# Altium PCB PCB1.PcbDoc (part 2 of 2)
Units mm, origin at the board's own origin, x right, y up, seen from the top; angles counter-clockwise.
Board outline 120 x 80 mm, 2 copper layers (Top Layer, Bottom Layer); 86 components, 53 nets, 278 pads, 127 vias.
Unrouted connection lines stored in the file: 5.
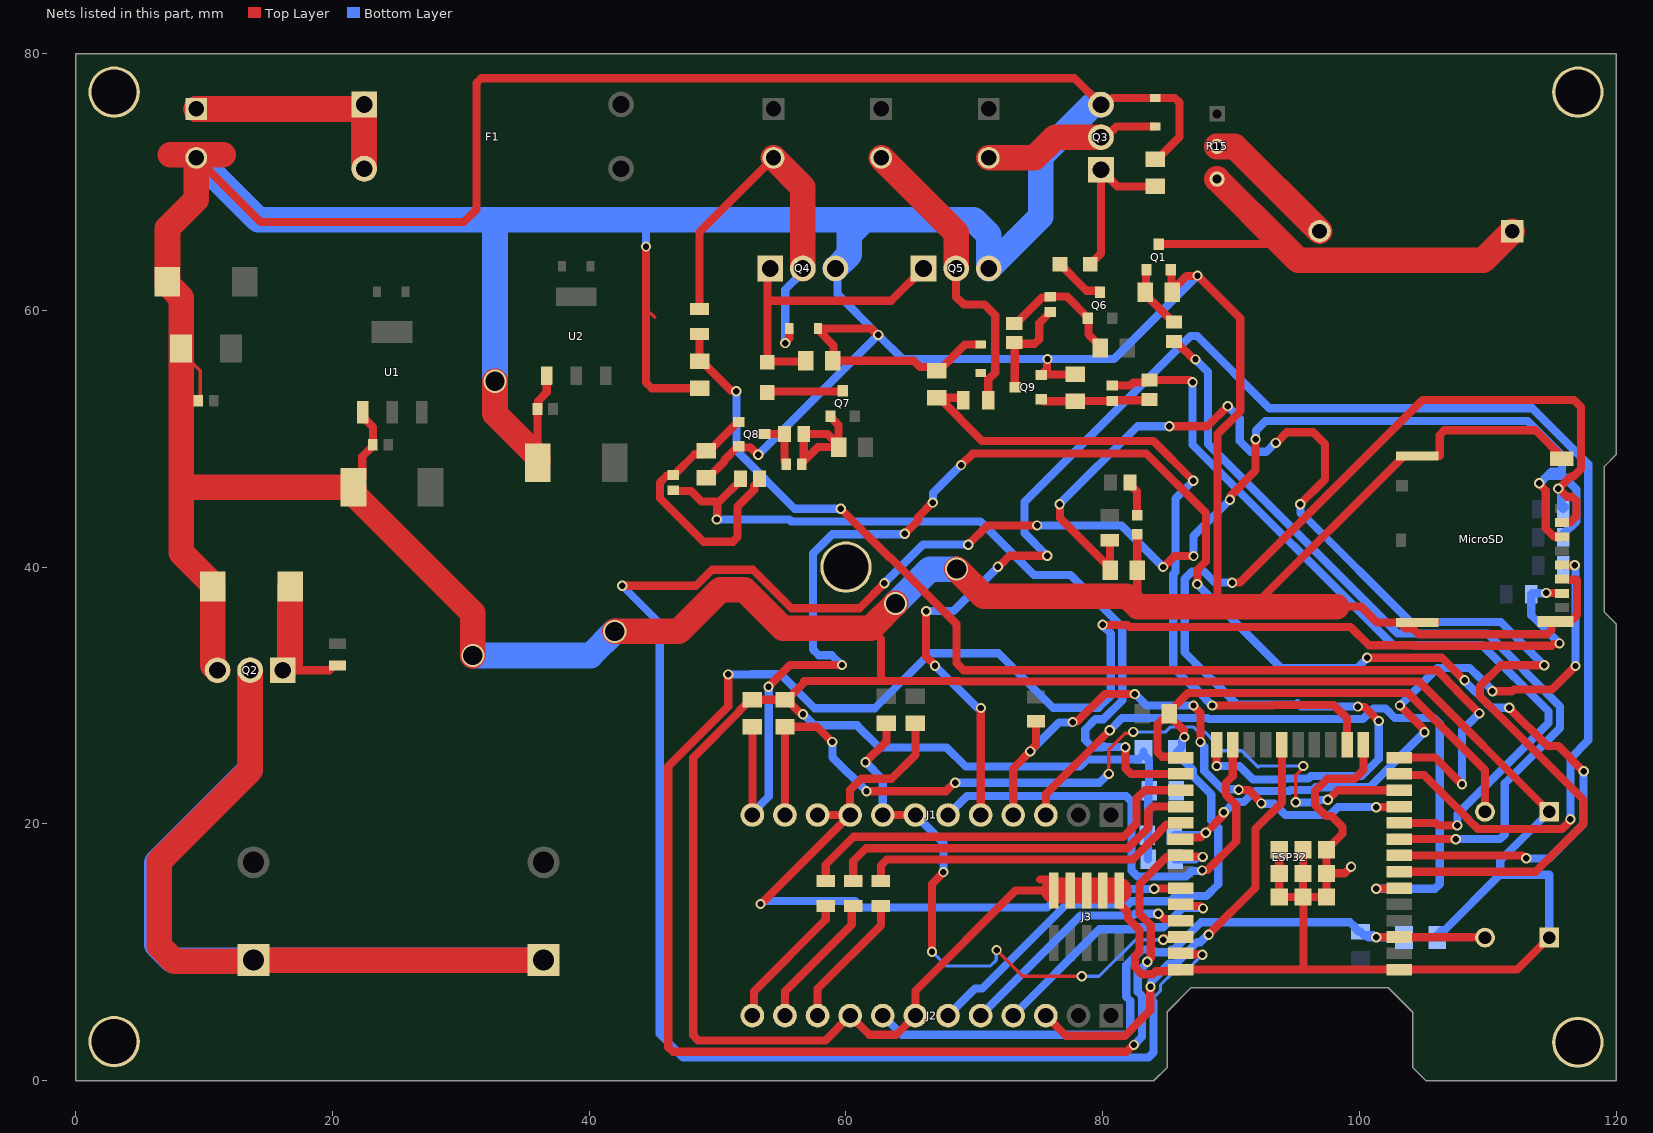
[diagram p2: the nets of this part, all layers, seen from the top]

## Via types
v1: diameter 0.8, hole 0.5, Top Layer to Bottom Layer, 113 vias
v2: diameter 1.8, hole 1.5, Top Layer to Bottom Layer, 13 vias
v3: diameter 1.8, hole 1, Top Layer to Bottom Layer, 1 vias

## Nets (pads, with @x,y where several pads share a name; then routed paths per layer and width w, separated by ;. In a path a pad name is that pad's centre, name@x,y a point inside that pad or via, vN(x,y) a via of type N, cw(c..) or ccw(c..) an arc to the next point about the centre after c; other vN are vias at no path point) (continued)
GND: BOOT.1 C1.1 C2.2 C3.2 C4.1 C5.1 C6.2 C9.1 C10.1 C11.1 D3.2 D4.2 D5.2 D6.2 D7.1 ESP32.1 ESP32.15 ESP32.38 ESP32.39 J2.7 J2.9 J3.1 J3.3 J3.5 J3.7 J3.9 MicroSD.6 MicroSD.11 MicroSD.12 MicroSD.13 MicroSD.14 P4.2 pad.1 Q1.2 Q2.3 Q3.3 Q4.3 Q5.3 Q8.2 Q9.2 R1.2 R14.1 R17.1 R18.1 R19.1 R20.1 R22.2 R30.2 R32.1 R33.1 R35.2 R37.2 R39.2 RESET.1 U1.1 U2.1 | length 842.5
  Top Layer w0.254: D3.2@8.223,56.788 9.703,55.308 9.703,53.102 C2.2@9.56,52.959 ; 44.425,59.995 44.564,59.995 45.098,59.461
  Top Layer w0.635: P4.2@9.398,71.882 14.402,66.878 30.226,66.878 31.217,67.869 31.217,77.708 31.589,78.08 77.808,78.08 Q3.3@79.858,76.03 80.227,76.03 80.741,76.543 81.267,76.543 81.276,76.553 D4.2@84.074,76.553 85.607,76.553 85.979,76.181 85.979,73.509 84.225,71.755 R30.2@84.074,71.755 ; C5.1@21.638,46.228 22.321,46.91 22.321,48.627 23.149,49.455 C6.2@23.149,49.53 23.149,50.932 22.569,51.513 22.484,51.513 22.352,51.645 U1.1@22.352,52.07 ; C4.1@35.976,48.646 C3.2@35.976,52.324 36.034,52.382 36.034,52.951 36.689,53.606 U2.1@36.689,54.924 ; v1(44.425,64.973) 44.425,59.995 44.425,54.388 44.873,53.94 R37.2@48.616,53.94 ; R33.1@49.124,46.981 49.274,46.981 50.541,48.247 50.541,48.355 51.604,49.418 Q8.2@51.654,49.418 51.737,49.336 52.55,49.336 53.118,48.768 v1(53.162,48.768) ; v1(56.653,28.546) 56.622,28.578 56.494,28.578 R18.1@55.396,29.677 ; 61.91,35.235 62.727,34.418 62.727,31.14 ; v1(62.509,58.09) 62.465,58.09 61.957,58.598 57.81,58.598 57.808,58.595 57.808,58.503 59.03,57.281 59.03,56.15 R35.2@58.963,56.083 65.273,56.083 65.765,55.591 66.796,55.591 R39.2@67.081,55.305 67.232,55.305 69.275,57.348 70.483,57.348 D6.2@70.485,57.351 ; 75.133,15.672 76.147,15.672 76.2,15.619 J3.9@76.2,14.814 73.209,14.814 65.405,7.01 J2.7@65.405,5.08 63.914,3.589 61.816,3.589 J2.9@60.325,5.08 58.395,3.15 48.48,3.15 48.108,3.522 48.108,25.171 51.714,28.778 51.714,28.837 52.554,29.677 R17.1@52.705,29.677 R18.1@55.245,29.677 R18.1@55.396,29.677 ; Q9.2@75.193,54.976 75.218,55.001 Q9.2@75.268,55.001 ; v1(75.692,56.21) 75.66,56.179 75.66,55.443 75.326,55.108 75.326,55.058 Q9.2@75.268,55.001 ; R32.1@77.851,55.026 77.826,55.001 Q9.2@75.268,55.001 ; J3.1@81.28,14.814 81.333,14.762 81.333,13.737 81.962,13.107 81.962,12.635 82.851,11.746 82.851,10.093 82.499,9.74 82.499,8.862 83.068,8.293 83.893,8.293 84.128,8.528 85.948,8.528 ESP32.38@86.08,8.661 95.631,8.661 ; D7.1@82.677,42.557 82.682,42.552 82.682,39.756 R1.2@82.686,39.751 82.686,36.973 82.728,36.932 ; Q1.2@85.303,63.16 85.354,63.11 85.354,61.468 R22.2@85.404,61.417 85.404,61.568 86.517,62.681 87.344,62.681 v1(87.376,62.713) 90.71,59.379 90.71,52.15 88.932,50.372 88.932,40.098 88.925,40.092 88.925,36.932 ; 91.719,36.932 103.445,48.657 106.216,48.657 106.248,48.69 106.248,50.301 106.62,50.673 113.686,50.673 115.921,48.437 MicroSD.14@116.266,48.437 ; ESP32.39@93.745,17.996 ESP32.39@93.745,16.161 ESP32.39@93.745,14.326 ESP32.39@95.58,14.326 ; ESP32.39@95.58,17.996 ESP32.39@95.58,16.161 ESP32.39@95.58,14.326 ; 98.222,36.932 100.127,36.932 101.361,35.697 103.099,35.697 103.559,35.237 104.134,35.237 104.594,34.776 114.618,34.776 114.953,35.111 114.953,35.665 115.065,35.777 115.781,35.777 115.901,35.897 116.55,35.897 116.922,36.269 116.922,38.991 116.888,39.025 116.314,39.025 MicroSD.6@116.281,39.057 ; v1(99.339,16.662) 98.838,16.161 ESP32.39@97.415,16.161 ; ESP32.15@100.295,26.171 100.295,24.218 99.597,23.52 97.48,23.52 96.539,22.579 96.539,21.486 97.399,20.627 97.801,20.627 98.661,19.767 98.661,19.241 ESP32.39@97.415,17.996 ESP32.39@97.415,16.161 ; MicroSD.12@105.001,35.697 105.878,35.697 MicroSD.12@105.918,35.738 ; RESET.1@114.77,11.151 112.28,8.661 ESP32.1@103.08,8.661 95.631,8.661 ; BOOT.1@114.77,20.955 104.635,31.09 68.787,31.09 68.736,31.14 62.727,31.14 ; R18.1@55.396,29.677 56.718,30.999 56.718,31.14 62.727,31.14 ; ESP32.39@95.58,14.326 ESP32.39@97.415,14.326 ESP32.39@97.415,16.161 ; ESP32.39@95.58,14.326 95.631,14.275 95.631,8.661
  Top Layer w2: 7.366,72.136 11.481,72.136 ; P4.2@9.398,71.882 9.398,68.638 7.155,66.395 7.155,62.235 C1.1@7.15,62.23 7.15,62.07 8.223,60.997 D3.2@8.223,57.023 8.223,56.788 8.223,46.228 ; Q2.3@11.049,31.979 10.681,32.347 C11.1@10.681,38.506 10.681,38.666 8.223,41.124 8.223,46.228 ; v2(30.937,33.122) 30.937,36.429 21.638,45.728 C5.1@21.638,46.228 8.223,46.228 ; v2(32.664,54.483) 32.664,51.958 35.976,48.646 35.989,48.633 C4.1@35.989,48.133 ; v2(41.986,35.001) 46.977,35.001 50.209,38.233 52.095,38.233 55.093,35.235 61.91,35.235 62.08,35.405 v2(63.854,37.179) ; v2(68.618,39.853) 70.728,37.743 81.917,37.743 82.686,36.973 ; J3.9@76.2,14.814 J3.7@77.47,14.814 J3.5@78.74,14.814 J3.3@80.01,14.814 J3.1@81.28,14.814 ; 82.728,36.932 88.925,36.932 91.719,36.932 98.222,36.932
  Bottom Layer w0.635: v1(44.425,64.973) 44.425,67.005 44.475,67.056 ; v1(53.162,48.768) 53.175,48.768 62.497,58.09 v1(62.509,58.09) ; v1(56.653,28.546) 56.698,28.546 57.558,27.686 60.871,27.686 62.592,25.965 67.842,25.965 69.328,24.479 78.223,24.479 78.757,25.013 82.165,25.013 82.198,25.046 82.798,25.046 C9.1@83.18,25.429 ; Q4.3@59.182,63.271 59.325,63.128 59.325,61.274 v1(62.509,58.09) ; C9.1@83.18,25.629 C9.1@83.18,25.429 ; R20.1@83.531,17.247 83.506,17.272 83.506,19.101 R19.1@83.48,19.126 83.544,19.19 83.544,22.517 R14.1@83.607,22.581 83.607,25.002 C9.1@83.18,25.429 ; v1(87.376,62.713) 80.874,56.21 v1(75.692,56.21) 64.389,56.21 v1(62.509,58.09) ; C10.1@106.05,11.151 106.05,11.351 106.432,11.733 106.632,11.733 110.952,16.053 ; RESET.1@114.77,11.151 114.77,16.053 110.952,16.053 ; BOOT.1@114.77,20.955 110.952,17.137 110.952,16.053
  Bottom Layer w2: P4.2@9.398,71.882 14.224,67.056 32.639,67.056 ; v2(30.937,33.122) 40.107,33.122 v2(41.986,35.001) ; v2(32.664,54.483) 32.664,67.031 32.639,67.056 ; Q4.3@59.182,63.271 60.249,64.338 60.249,65.884 61.42,67.056 ; v2(63.854,37.179) 66.528,39.853 v2(68.618,39.853) ; Q3.3@79.858,76.03 79.21,76.03 75.165,71.985 75.165,67.316 Q5.3@71.12,63.271 71.12,65.884 69.948,67.056 61.42,67.056 ; 32.639,67.056 44.475,67.056 61.42,67.056
NetBOOT1_2: BOOT.2 C9.2 ESP32.25 J2.6 R11.1 | length 76.9
  Top Layer w0.635: R11.1@85.176,28.575 R11.1@85.176,28.424 ; R11.1@85.176,28.726 86.65,30.201 103.759,30.201 109.766,24.194 BOOT.2@109.766,20.955 ; ESP32.25@86.08,25.171 86.013,25.238 84.621,25.238 84.249,25.61 84.249,27.766 84.621,28.138 84.89,28.138 R11.1@85.176,28.424 ; v1(86.356,26.778) 86.324,26.81 86.324,27.276 R11.1@85.176,28.424
  Bottom Layer w0.635: J2.6@67.945,5.08 70.056,7.191 70.615,7.191 77.174,13.751 81.994,13.751 82.222,13.978 85.227,13.978 85.645,14.396 88.081,14.396 88.995,15.31 88.995,19.719 88.453,20.262 88.453,22.309 87.013,23.748 87.013,24.196 85.78,25.429 C9.2@85.78,25.629 86.163,26.011 86.163,26.541 86.356,26.734 v1(86.356,26.778)
NetC7_1: C7.1 C8.1 Q2.2 | length 109.9
  Top Layer w2: Q2.2@13.589,31.979 13.589,24.194 6.502,17.107 6.502,10.493 7.674,9.322 13.767,9.322 C7.1@13.843,9.398 C8.1@36.449,9.398
  Bottom Layer w2: Q2.2@13.589,31.979 13.589,24.257 6.325,16.993 6.325,10.592 7.518,9.398 C7.1@13.843,9.398 C8.1@36.449,9.398
NetC10_2: C10.2 ESP32.3 J2.8 R16.1 RESET.2 | length 58.3
  Top Layer w0.635: v1(101.295,11.176) 101.307,11.188 103.068,11.188 ESP32.3@103.08,11.201 103.105,11.176 109.741,11.176 RESET.2@109.766,11.151
  Bottom Layer w0.635: J2.8@62.865,5.08 64.356,3.589 81.802,3.589 82.136,3.923 82.136,6.237 81.833,6.541 81.833,9.01 83.059,10.236 83.873,10.236 84.095,10.014 85.114,10.014 85.337,10.236 85.544,10.236 87.658,12.351 99.267,12.351 99.639,11.979 99.639,11.903 99.925,11.617 R16.1@100.076,11.617 100.362,11.331 R16.1@100.513,11.331 ; v1(101.295,11.176) 101.251,11.176 101.095,11.331 R16.1@100.513,11.331 ; C10.2@103.45,11.151 101.095,11.151 100.694,11.151 R16.1@100.513,11.331
NetC11_2: C11.2 Q2.1 R23.1 | length 11.2
  Top Layer w0.635: Q2.1@16.129,31.979 19.777,31.979 20.145,32.347 R23.1@20.396,32.347
  Top Layer w2: Q2.1@16.129,31.979 16.701,32.551 C11.2@16.701,38.506
NetC12_1: C12.1 ESP32.10 R28.1 | length 64.1
  Top Layer w0.635: C12.1@80.747,54.149 82.149,54.149 82.393,54.393 83.457,54.393 R28.1@83.642,54.578 86.779,54.578 86.95,54.407 v1(86.995,54.407) ; ESP32.10@103.08,20.091 105.927,20.091 106.128,19.89 v1(107.597,19.89)
  Bottom Layer w0.635: v1(86.995,54.407) 86.995,49.54 102.594,33.941 109.546,33.941 114.706,28.78 114.706,27.864 107.629,20.786 107.629,19.921 v1(107.597,19.89)
NetC12_2: C12.2 Q9.1 R28.2 R32.2 | length 8.6
  Top Layer w0.635: Q9.1@75.193,53.076 75.243,53.076 75.395,52.924 R32.2@77.851,52.924 77.863,52.937 80.734,52.937 C12.2@80.747,52.949 80.804,53.007 83.572,53.007 R28.2@83.642,53.077
NetC13_1: C13.1 Q6.1 R24.2 R26.1 | length 10
  Top Layer w0.635: R26.1@73.101,58.993 73.23,58.993 75.257,61.02 75.863,61.02 C13.1@75.921,61.077 77.205,61.077 78.892,59.39 78.892,58.13 79.797,57.225 R24.2@79.797,57.074
NetC13_2: C13.2 Q9.3 R26.2 | length 7.9
  Top Layer w0.635: Q9.3@73.193,54.026 73.147,54.072 73.147,57.363 73.189,57.404 74.685,57.404 75.057,57.776 75.057,59.014 75.788,59.745 75.788,59.82 75.846,59.877 C13.2@75.921,59.877
NetC14_1: C14.1 ESP32.26 R29.1 | length 62.9
  Top Layer w0.635: C14.1@46.533,45.984 46.582,45.935 47.935,45.935 48.76,45.11 50.127,45.11 ; v1(49.936,43.713) 49.968,43.745 49.968,44.951 50.127,45.11 ; R29.1@51.776,46.888 51.776,46.76 50.127,45.11 ; v1(81.763,25.984) 81.782,25.965 81.782,24.314 82.195,23.901 ESP32.26@86.08,23.901
  Bottom Layer w0.635: v1(49.936,43.713) 55.586,43.713 55.725,43.574 70.46,43.574 74.64,39.393 77.474,39.393 81.515,35.353 81.515,29.622 80.055,28.162 79.443,28.162 78.632,27.352 78.632,26.547 79.201,25.978 80.006,25.978 80.093,26.064 80.173,25.984 v1(81.763,25.984)
NetC14_2: C14.2 Q8.1 R29.2 R33.2 | length 22.2
  Top Layer w0.635: Q8.1@51.654,51.318 51.604,51.318 49.654,49.368 49.409,49.368 R33.2@49.124,49.082 48.838,48.796 48.221,48.796 46.608,47.184 C14.2@46.533,47.184 46.475,47.126 46.042,47.126 45.511,46.595 45.511,45.372 48.897,41.986 51.19,41.986 51.562,42.358 51.562,44.732 52.85,46.021 52.85,46.332 53.278,46.76 R29.2@53.278,46.888
NetC15_1: C15.1 Q7.1 R25.2 R27.1 | length 11.3
  Top Layer w0.635: C15.1@56.556,48.006 56.556,48.081 C15.1@56.707,48.232 ; Q7.1@58.791,51.756 58.791,51.706 59.417,51.08 R25.2@59.417,49.503 ; C15.1@56.707,48.232 R27.1@56.707,50.368 58.552,50.368 R25.2@59.417,49.503 ; C15.1@56.707,48.232 57.827,49.352 R25.2@59.417,49.352 R25.2@59.417,49.503
NetC15_2: C15.2 Q8.3 R27.2 | length 4
  Top Layer w0.635: Q8.3@53.654,50.368 R27.2@55.205,50.368 55.205,48.232 55.356,48.081 C15.2@55.356,48.006
NetD4_1: D4.1 P3.2 Q3.2 | length 14
  Top Layer w0.635: Q3.2@79.858,73.49 80.227,73.49 81.06,74.323 D4.1@84.074,74.323
  Top Layer w2: P3.2@71.12,71.882 74.685,71.882 76.293,73.49 Q3.2@79.858,73.49
NetD5_1: D5.1 P1.2 Q4.2 R36.1 | length 31.4
  Top Layer w0.635: R36.1@48.59,60.106 48.59,66.116 P1.2@54.356,71.882 ; v1(55.27,57.455) 55.27,57.499 55.575,57.804 55.575,58.595 D5.1@55.578,58.598
  Top Layer w2: P1.2@54.356,71.882 56.642,69.596 Q4.2@56.642,63.271
  Bottom Layer w0.635: v1(55.27,57.455) 55.27,61.631 56.642,63.003 Q4.2@56.642,63.271
NetD6_1: D6.1 P2.2 Q5.2 R38.1 | length 23.7
  Top Layer w0.635: Q5.2@68.58,63.271 68.58,61.053 69.181,60.452 70.79,60.452 71.628,59.614 71.628,55.171 71.079,54.622 R38.1@71.079,53.01
  Top Layer w2: P2.2@62.738,71.882 68.58,66.04 Q5.2@68.58,63.271
NetD7_2: D7.2 R40.2 | length 2.8
  Top Layer w0.635: R40.2@82.107,46.609 82.107,46.48 82.677,45.91 D7.2@82.677,44.057
NetF1_1: F1.1 P4.1 | length 36.5
  Top Layer w2: P4.1@9.398,75.692 22.129,75.692 F1.1@22.479,76.042 F1.1@22.479,71.042
  Bottom Layer w2: P4.1@9.398,75.692 22.129,75.692 F1.1@22.479,76.042 F1.1@22.479,71.042
NetJ1_3: ESP32.6 J1.3 | length 55
  Top Layer w0.635: J1.3@75.565,20.701 75.565,22.327 v1(80.543,27.305) ; v1(101.295,14.961) 101.32,14.986 103.055,14.986 ESP32.6@103.08,15.011
  Bottom Layer w0.635: v1(80.543,27.305) 80.551,27.305 81.503,28.258 86.663,28.258 88.167,28.258 88.25,28.175 100.275,28.175 101.092,28.992 102.006,28.992 102.741,28.258 105.794,28.258 106.248,27.803 106.248,15.333 105.876,14.961 v1(101.295,14.961)
NetJ1_4: ESP32.11 J1.4 R3.2 | length 45.8
  Top Layer w0.635: J1.4@73.025,20.701 73.025,24.333 v1(74.346,25.654) 74.346,25.699 74.803,26.156 R3.2@74.803,28.005 74.602,28.005 R3.2@74.416,27.819 ; v1(77.648,27.94) 77.679,27.972 77.995,27.972 80.16,30.137 82.467,30.137 v1(82.486,30.118) ; v1(87.065,29.229) 87.065,29.197 87.605,28.657 v1(87.605,26.391) ; v1(90.576,22.676) 90.608,22.644 91.401,22.644 91.774,22.272 91.774,22.23 92.356,21.647 v1(92.356,21.603) ; v1(101.295,21.311) 101.32,21.336 103.055,21.336 ESP32.11@103.08,21.361
  Bottom Layer w0.635: v1(74.346,25.654) 76.6,27.908 77.616,27.908 v1(77.648,27.94) ; v1(82.486,30.118) 82.531,30.118 83.42,29.229 v1(87.065,29.229) ; v1(87.605,26.391) 87.605,26.346 87.902,26.048 87.902,24.117 89.312,22.707 90.545,22.707 v1(90.576,22.676) ; v1(92.356,21.603) 92.388,21.571 93.372,21.571 94.23,20.713 97.709,20.713 98.307,21.311 v1(101.295,21.311)
NetJ1_5: ESP32.13 J1.5 | length 131.1
  Top Layer w0.635: v1(66.243,36.579) 66.243,33.058 66.929,32.373 v1(66.929,32.328) ; J1.5@70.485,20.701 70.498,20.714 70.498,29.019 v1(70.51,29.032) ; v1(71.831,40.03) 71.876,40.03 72.739,40.894 v1(75.667,40.894) ; ESP32.13@103.08,23.901 103.153,23.828 105.033,23.828 108.424,20.436 108.424,20.399 109.21,19.613 115.777,19.613 116.389,20.225 116.389,20.328 v1(116.42,20.36)
  Bottom Layer w0.635: v1(66.243,36.579) 68.38,36.579 v1(71.831,40.03) ; v1(66.929,32.328) 70.193,29.064 70.479,29.064 v1(70.51,29.032) ; v1(75.667,40.894) 73.908,42.653 73.908,45.079 86.834,58.005 87.36,58.005 92.989,52.375 113.462,52.375 117.805,48.031 117.805,26.492 116.42,25.107 v1(116.42,20.36)
NetJ1_6: ESP32.23 J1.6 | length 38
  Top Layer w0.635: v1(87.734,16.384) 87.766,16.416 88.167,16.416 90.396,18.644 90.396,21.483 89.605,22.274 89.605,23.209 90.119,23.724 90.119,26.155 ESP32.23@90.135,26.171
  Bottom Layer w0.635: J1.6@67.945,20.701 69.436,22.192 81.802,22.192 82.246,21.748 82.246,16.366 82.691,15.921 86.473,15.921 86.904,16.352 87.703,16.352 v1(87.734,16.384)
NetJ1_7: ESP32.36 J1.7 J1.8 R5.2 | length 45.8
  Top Layer w0.254: v1(71.73,10.182) 73.772,8.14 v1(78.356,8.14)
  Top Layer w0.635: v1@61.563,24.816 v1(61.519,24.816) 63.144,26.441 R5.2@63.144,27.854 ; J1.8@62.865,20.701 J1.7@65.405,20.701 ; v1(66.7,10.058) 66.7,15.322 67.589,16.211 v1(67.589,16.256) ; v1(84.712,10.986) 84.757,10.986 84.839,11.068 85.948,11.068 ESP32.36@86.08,11.201
  Bottom Layer w0.254: v1(66.7,10.058) 67.818,8.941 71.247,8.941 71.708,9.401 71.708,10.16 v1(71.73,10.182) ; v1(78.356,8.14) 79.706,8.14 82.552,10.986 v1(84.712,10.986)
  Bottom Layer w0.635: v1@61.563,24.816 v1(61.519,24.816) 62.865,23.47 J1.8@62.865,20.701 ; J1.7@65.405,20.701 67.589,18.517 v1(67.589,16.256)
NetJ1_9: ESP32.33 J1.9 J1.10 R4.2 | length 56.6
  Top Layer w0.635: v1(53.34,13.767) 53.365,13.767 J1.9@60.3,20.701 ; J1.10@57.785,20.701 J1.9@60.3,20.701 ; R4.2@65.405,27.778 65.405,25.389 63.543,23.527 61.193,23.527 60.325,22.659 J1.9@60.325,20.701 J1.9@60.3,20.701 ; v1(83.998,14.95) 84.028,14.98 86.05,14.98 ESP32.33@86.08,15.011
  Bottom Layer w0.635: v1(53.34,13.767) 53.385,13.767 53.613,13.995 60.698,13.995 61.187,13.507 75.673,13.507 77.116,14.95 v1(83.998,14.95)
NetJ1_11: ESP32.12 J1.11 R18.2 | length 66.4
  Top Layer w0.254: v1(80.467,23.901) 80.467,25.793 81.743,27.07 82.27,27.07 v1(82.375,27.174) ; v1(95.021,21.685) 95.021,23.787 95.606,24.372 v1(95.606,24.517)
  Top Layer w0.635: J1.11@55.245,20.701 R18.2@55.245,27.575 57.751,27.575 58.928,26.398 v1(58.928,26.391) ; v1(61.595,22.555) 67.799,22.555 68.459,23.216 v1(68.504,23.216) ; v1(97.511,21.889) 97.555,21.889 98.297,22.631 ESP32.12@103.08,22.631
  Bottom Layer w0.254: v1(82.375,27.174) 84.907,27.174 85.292,27.559 86.373,27.559 ; 86.373,27.559 87.062,27.559 87.449,27.172 87.928,27.172 88.773,26.327 88.773,25.705 90.83,25.705 92.1,24.435 92.182,24.517 v1(95.606,24.517)
  Bottom Layer w0.635: v1(58.928,26.391) 58.96,26.359 58.96,25.191 v1(61.595,22.555) ; v1(68.504,23.216) 79.737,23.216 80.423,23.901 v1(80.467,23.901) ; v1(95.021,21.685) 96.662,21.685 96.834,21.857 97.479,21.857 v1(97.511,21.889)
NetJ1_12: ESP32.8 J1.12 R17.2 | length 132.8
  Top Layer w0.635: J1.12@52.705,20.701 R17.2@52.705,27.575 ; v1(53.964,30.695) 55.654,32.385 v1(59.69,32.385) ; v1(64.567,42.596) 65.624,43.653 65.624,43.907 v1(66.751,45.034) ; v1(68.961,47.955) 69.875,48.87 83.388,48.87 88.043,44.215 88.043,40.466 87.382,39.806 87.382,38.716 v1(87.351,38.684) ; v1(100.584,32.95) 106.42,32.95 v1(108.179,31.191) ; ESP32.8@103.08,17.551 112.707,17.551 112.935,17.323 v1(112.979,17.323) ; v1(111.649,29.058) 111.649,29.037 114.621,26.065 115.489,26.065 v1(117.45,24.105)
  Bottom Layer w0.635: J1.12@52.705,20.701 52.705,20.851 53.986,22.132 53.986,30.674 v1(53.964,30.695) ; v1(59.69,32.385) 59.645,32.385 58.889,33.141 57.878,33.141 57.428,33.59 57.428,41.065 58.935,42.572 64.543,42.572 v1(64.567,42.596) ; v1(66.751,45.034) 66.783,45.066 66.783,45.777 v1(68.961,47.955) ; v1(87.351,38.684) 93.875,32.16 99.831,32.16 100.584,32.912 v1(100.584,32.95) ; v1(108.179,31.191) 108.21,31.16 108.21,31.104 109.947,29.368 109.954,29.368 110.264,29.058 v1(111.649,29.058) ; v1(112.979,17.323) 114.758,17.323 117.45,20.015 v1(117.45,24.105)
NetJ2_3: ESP32.20 J2.3 | length 35
  Top Layer w0.635: J2.3@75.565,5.08 77.136,3.509 81.722,3.509 83.693,5.48 83.693,7.301 v1(83.714,7.322) ; v1(88.24,11.379) 91.897,15.037 91.897,19.627 93.945,21.675 ESP32.20@93.945,26.171
  Bottom Layer w0.635: v1(83.714,7.322) 83.746,7.353 83.746,7.702 85.169,9.125 85.69,9.125 87.36,10.796 87.611,10.796 88.195,11.379 v1(88.24,11.379)
NetJ2_4: ESP32.34 J2.4 | length 20.1
  Top Layer w0.635: ESP32.34@86.08,13.741 86.213,13.608 87.579,13.608 87.763,13.424 v1(87.808,13.424)
  Bottom Layer w0.635: J2.4@73.025,5.08 79.753,11.808 82.386,11.808 82.542,11.963 83.851,11.963 83.857,11.957 84.73,11.957 86.229,13.456 87.776,13.456 v1(87.808,13.424)
NetJ2_5: ESP32.35 J2.5 | length 19.1
  Top Layer w0.635: v1(84.328,13.007) 84.373,13.007 84.776,12.603 85.948,12.603 ESP32.35@86.08,12.471
  Bottom Layer w0.635: J2.5@70.485,5.08 78.267,12.862 82.356,12.862 82.501,13.007 v1(84.328,13.007)
NetJ2_10: J2.10 R10.2 | length 10.6
  Top Layer w0.635: J2.10@57.785,5.08 57.785,7.167 62.713,12.094 R10.2@62.713,13.605
NetJ2_11: J2.11 R12.2 | length 10.7
  Top Layer w0.635: J2.11@55.245,5.08 55.245,6.97 60.452,12.177 60.452,13.491 R12.2@60.566,13.605
NetJ2_12: J2.12 R13.2 | length 11.1
  Top Layer w0.635: J2.12@52.705,5.08 52.825,5.2 52.825,6.952 58.42,12.548 R13.2@58.42,13.605 R13.2@58.17,13.605
NetLS1_1: LS1.1 Q1.3 R15.3 | length 36.2
  Top Layer w0.635: Q1.3@84.353,65.16 93.964,65.16 93.967,65.164
  Top Layer w2: R15.3@88.9,70.231 93.967,65.164 95.218,63.913 109.633,63.913 LS1.1@111.887,66.167
NetLS1_2: LS1.2 R15.2 | length 10.7
  Top Layer w2: R15.2@88.9,72.771 90.283,72.771 LS1.2@96.887,66.167
NetMD1_7: ESP32.7 R1.1 R2.2 | length 102
  Top Layer w0.635: v1(76.632,44.907) 76.663,44.876 76.663,43.823 R1.1@80.564,39.923 ; R2.2@80.543,42.103 80.564,42.083 R1.1@80.564,39.923 ; R1.1@80.585,39.751 80.585,39.902 R1.1@80.564,39.923 ; v1(85.192,50.978) 88.163,50.978 v1(89.738,52.553) ; v1(93.472,49.682) 93.517,49.682 94.352,50.517 96.384,50.517 97.304,49.597 97.304,46.834 v1(95.377,44.907) ; ESP32.7@103.08,16.281 113.715,16.281 117.392,19.957 117.392,21.93 109.954,29.368 109.947,29.368 109.378,29.937 109.378,30.742 110.996,32.36 v1(114.376,32.36)
  Bottom Layer w0.635: v1(76.632,44.907) 82.702,50.978 v1(85.192,50.978) ; v1(89.738,52.553) 89.738,52.508 90.668,51.578 90.668,49.817 91.495,48.99 92.735,48.99 93.427,49.682 v1(93.472,49.682) ; v1(95.377,44.907) 95.409,44.876 95.409,44.232 95.749,43.891 95.809,43.891 103.962,35.738 110.998,35.738 v1(114.376,32.36)
NetMD1_9: ESP32.9 R21.1 | length 65.3
  Top Layer w0.635: R21.1@85.547,57.593 85.676,57.593 87.053,56.216 87.192,56.216 v1(87.224,56.185) ; ESP32.9@103.08,18.821 v1(107.493,18.821)
  Bottom Layer w0.635: v1(87.224,56.185) 88.189,55.22 88.189,49.606 102.965,34.83 109.95,34.83 115.621,29.159 115.621,27.483 111.312,23.174 111.312,19.193 110.94,18.821 v1(107.493,18.821)
NetMD1_14: ESP32.14 R36.2 R37.1 | length 90.6
  Top Layer w0.635: R36.2@48.59,58.156 48.603,58.143 48.603,56.055 48.754,56.055 51.081,53.727 51.429,53.727 v1(51.46,53.696) ; v1(59.588,44.552) 63.389,40.751 63.445,40.751 68.605,35.591 68.605,32.528 69.155,31.979 106.017,31.979 107.602,30.394 107.602,30.346 v1(109.334,28.614) ; ESP32.14@103.08,25.171 105.893,25.171 v1(107.975,23.089)
  Bottom Layer w0.635: v1(51.46,53.696) 51.46,49.096 56.005,44.552 v1(59.588,44.552) ; v1(107.975,23.089) 107.975,27.305 108.424,27.754 108.43,27.754 109.289,28.614 v1(109.334,28.614)
NetMD1_16: ESP32.16 R38.2 R39.1 | length 57.1
  Top Layer w0.635: R39.1@67.081,53.204 R39.1@67.232,53.204 ; R38.2@69.129,53.01 69.129,53.046 68.972,53.204 R39.1@67.232,53.204 ; v1(87.046,46.736) 83.939,49.843 70.593,49.843 R39.1@67.232,53.204 ; v1(88.519,29.229) 93.248,29.229 93.299,29.28 97.983,29.28 99.009,28.254 99.009,26.187 ESP32.16@99.025,26.171
  Bottom Layer w0.635: v1(87.046,46.736) 85.669,45.359 85.669,39.634 85.49,39.455 85.49,32.19 86.93,30.751 87.048,30.751 87.364,30.435 87.364,30.385 v1(88.519,29.229)
NetMD1_24: ESP32.24 MicroSD.2 R6.2 | length 92.5
  Top Layer w0.635: ESP32.24@88.865,26.171 88.87,26.166 88.87,24.523 v1(88.874,24.519) ; v1(90.068,38.786) 90.085,38.803 90.694,38.803 104.902,53.01 116.697,53.01 117.238,52.468 117.238,47.638 116.656,47.056 116.443,47.056 v1@115.513,46.126 ; v1(99.873,29.147) 99.904,29.115 100.4,29.115 v1(101.494,28.02) ; v1(115.468,46.126) v1@115.513,46.126 ; MicroSD.2@115.767,43.465 115.799,43.498 116.408,43.498 116.888,43.978 116.888,45.152 116.554,45.487 116.153,45.487 v1@115.513,46.126
  Bottom Layer w0.635: v1(88.874,24.519) 90.642,24.519 91.698,23.463 94.169,23.463 94.251,23.545 96.008,23.545 96.212,23.749 100.168,23.749 101.494,25.076 v1(101.494,28.02) ; v1(90.068,38.786) 90.037,38.817 88.722,38.817 87.884,39.656 86.948,39.656 86.379,39.087 86.379,33.379 90.44,29.318 95.093,29.318 95.176,29.4 95.429,29.147 v1(99.873,29.147) ; v1(115.468,46.126) 115.468,46.082 115.702,45.848 115.702,44.684 R6.2@115.859,44.526 R6.2@116.017,44.684
NetMD1_27: ESP32.27 R13.1 R14.2 | length 32.5
  Top Layer w0.635: R13.1@58.42,15.555 58.42,16.854 60.571,19.005 81.598,19.005 82.626,20.034 82.626,21.98 83.277,22.631 ESP32.27@86.08,22.631
NetMD1_28: ESP32.28 R12.1 | length 30.1
  Top Layer w0.635: R12.1@60.974,15.712 60.816,15.555 R12.1@60.566,15.555 60.566,17.107 61.576,18.116 81.966,18.116 83.541,19.691 83.541,20.989 83.913,21.361 ESP32.28@86.08,21.361
NetMD1_29: ESP32.29 R10.1 | length 26
  Top Layer w0.635: R10.1@62.713,15.555 62.713,16.764 63.176,17.227 82.334,17.227 84.43,19.323 84.43,19.428 84.959,19.958 85.948,19.958 ESP32.29@86.08,20.091
NetMD1_30: ESP32.30 MicroSD.5 R8.2 R19.2 | length 53.6
  Top Layer w0.635: ESP32.30@86.08,18.821 86.213,18.953 87.615,18.953 87.979,19.317 v1(88.024,19.317) 89.393,20.686 89.393,20.877 v1(89.424,20.909) ; v1(103.143,29.229) 105.023,27.349 105.023,27.184 v1(105.054,27.153) ; v1(110.349,30.339) 111.878,30.339 112.019,30.48 114.986,30.48 v1(116.815,32.309) ; MicroSD.5@116.281,40.157 v1(116.764,40.157)
  Bottom Layer w0.635: R19.2@85.582,19.126 87.789,19.126 87.979,19.317 v1(88.024,19.317) ; v1(89.424,20.909) 89.469,20.909 90.264,21.704 90.979,21.704 91.849,22.574 94.537,22.574 94.619,22.656 96.376,22.656 96.58,22.86 100.762,22.86 v1(105.054,27.153) ; v1(103.143,29.229) 106.076,32.163 108.581,32.163 109.42,31.324 109.42,31.313 110.349,30.384 v1(110.349,30.339) ; R8.2@115.859,40.132 115.872,40.145 116.751,40.145 v1(116.764,40.157) ; v1@116.815,32.353 116.815,40.062 116.795,40.081 116.795,40.132 v1@116.815,40.151
NetMD1_31: ESP32.31 MicroSD.7 R9.2 R20.2 | length 173.9
  Top Layer w0.635: v1(50.825,31.648) 50.825,29.146 46.152,24.473 46.152,2.633 46.524,2.261 81.845,2.261 82.378,2.794 v1(82.423,2.794) ; v1(79.985,35.509) 81.928,35.509 82.083,35.353 99.305,35.353 100.736,33.922 104.192,33.922 104.226,33.887 114.986,33.887 115.129,34.03 115.538,34.03 v1(115.57,34.061) ; v1(83.47,9.265) 83.47,9.309 83.74,9.58 83.74,12.114 82.851,13.003 82.851,15.31 84.959,17.418 85.948,17.418 ESP32.31@86.08,17.551 86.163,17.468 87.764,17.468 v1(87.796,17.436) ; v1(114.529,37.998) 114.545,37.982 115.95,37.982 MicroSD.7@115.999,37.933
  Bottom Layer w0.635: v1(50.825,31.648) 52.625,31.648 52.643,31.667 54.907,31.667 57.56,29.013 62.241,29.013 66.527,33.299 71.88,33.299 76.128,29.051 79.687,29.051 80.626,29.99 80.626,34.823 79.985,35.465 v1(79.985,35.509) ; v1(82.423,2.794) 83.058,3.429 83.058,6.604 82.722,6.94 82.722,8.471 83.47,9.22 v1(83.47,9.265) ; R20.2@85.633,17.247 87.189,17.247 87.347,17.405 87.764,17.405 v1(87.796,17.436) ; v1(114.529,37.998) 114.497,37.967 113.44,37.967 R9.2@113.37,37.897 113.37,36.261 v1(115.57,34.061)
NetMD1_37: ESP32.37 MicroSD.3 R7.2 | length 190.6
  Top Layer w0.635: v1(42.57,38.557) 48.311,38.557 49.558,39.804 52.746,39.804 55.744,36.807 61.038,36.807 v1(62.992,38.76) ; v1(69.52,41.758) 71.018,43.256 v1(74.879,43.256) ; v1(84.697,40.017) 84.742,40.017 85.594,40.868 v1(87.071,40.869) ; ESP32.37@86.08,9.931 86.155,9.856 87.731,9.856 v1(87.763,9.824) ; v1(89.903,45.257) 89.935,45.289 89.935,45.561 91.897,47.523 v1(91.897,49.962) ; v1(113.995,46.533) 113.995,46.488 114.497,45.986 114.497,43.027 115.126,42.398 115.734,42.398 MicroSD.3@115.767,42.365
  Bottom Layer w0.254: 83.947,6.181 83.947,6.45 84.495,6.998 84.495,7.463 85.459,8.427 86.365,8.427 v1(87.763,9.824)
  Bottom Layer w0.635: v1(42.57,38.557) 45.491,35.636 45.491,3.632 47.301,1.823 83.575,1.823 83.947,2.194 83.947,6.181 ; v1(62.992,38.76) 65.989,41.758 v1(69.52,41.758) ; v1(74.879,43.256) 81.458,43.256 v1(84.697,40.017) ; v1(87.071,40.869) 87.071,42.425 v1(89.903,45.257) ; v1(91.897,49.962) 91.929,49.993 91.929,50.654 92.659,51.384 113.068,51.384 115.754,48.698 115.754,47.443 114.95,47.443 114.605,47.098 ; v1(113.995,46.533) 114.04,46.533 114.605,47.098 ; R7.2@116.017,42.691 116.017,42.482 R7.2@115.859,42.325 115.859,42.575 116.466,43.181 116.523,43.181 116.906,43.564 116.906,46.063 115.871,47.098 114.605,47.098
NetQ1_1: Q1.1 R21.2 R22.1 | length 5.1
  Top Layer w0.635: Q1.1@83.403,63.16 83.353,63.11 83.353,61.468 R22.1@83.303,61.417 83.303,61.266 85.234,59.335 85.234,59.279 85.418,59.095 R21.2@85.547,59.095
NetQ3_1: Q3.1 R30.1 R31.2 | length 12.4
  Top Layer w0.635: R31.2@79.026,63.602 79.858,64.434 Q3.1@79.858,70.95 81.155,69.653 R30.1@84.074,69.653
NetQ4_1: Q4.1 Q5.1 R34.2 R35.1 | length 23.6
  Top Layer w0.635: Q4.1@54.102,63.271 53.873,63.042 53.873,60.757 ; R35.1@56.861,56.083 56.801,56.023 53.934,56.023 R34.2@53.873,55.963 53.873,60.757 ; Q5.1@66.04,63.271 63.526,60.757 53.873,60.757
NetQ6_3: Q6.3 R31.1 | length 4
  Top Layer w0.635: R31.1@76.676,63.602 78.744,61.534 79.699,61.534 79.781,61.451 Q6.3@79.781,61.401
NetQ7_3: Q7.3 R34.1 | length 5.9
  Top Layer w0.635: R34.1@53.873,53.613 53.945,53.684 59.669,53.684 Q7.3@59.741,53.756
pads on no net: ESP32.4 ESP32.5 ESP32.17 ESP32.18 ESP32.19 ESP32.21 ESP32.22 ESP32.32 MicroSD.1 MicroSD.8 MicroSD.9 MicroSD.10

## Polygon pours and split planes (outlines as drawn)
GND on Bottom Layer "GND_L02_P009" (hatched Horizontal grid 0.508 track 0.203, remove dead copper, pour order 9): 1,79 119,79 119,50 115,50 115,34 119,34 119,1 105,1 105,8 84,8 84,1 1,1
GND on Top Layer "GND_L01_P008" (hatched Horizontal grid 0.508 track 0.203, remove dead copper, pour order 8): 1,79 119,79 119,50 115,50 115,34 119,34 119,1 105,1 105,8 84,8 84,1 1,1

## Keep-outs
Keep-Out Layer:
  lines w0.254: 85.014,1.041 85.014,5.385
  lines w0.27: 85.014,5.385 86.868,7.239 102.235,7.239 104.14,5.334 104.14,1.041
  lines w1: 85.014,1.041 83.972,0 0,0 0,80 120,80 ; 104.14,1.041 105.181,0 120,0 120,35.575 ; 119.99,35.585 119.075,36.5 119.075,47.854 119.99,48.768 119.99,79.99

## Other copper
Bottom Layer:
  text "MECATRON" at 6.593,70.429 h7 r90

## Silkscreen, mask and mechanical layers (free items; w line width, h text height)
Top Overlay:
  text "BT1" at 53.165,24.33 h1.52 r90
  text "BT2" at 55.736,24.33 h1.52 r90
  text "SDA" at 58.215,24.33 h1.52 r90
  text "SDA" at 60.785,24.33 h1.52 r90
  text "SCL" at 63.337,24.33 h1.52 r90
  text "SCL" at 65.889,24.33 h1.52 r90
  text "MAG2" at 68.441,24.33 h1.52 r90
  text "MAG1" at 70.939,24.33 h1.52 r90
  text "TERMICO" at 73.454,24.33 h1.52 r90
  text "BOOT" at 76.112,24.33 h1.52 r90
  text "5V" at 78.508,24.33 h1.52 r90
  text "12V" at 81.067,24.33 h1.52 r90
  text "GND" at 83.531,13.078 h1.52 r90
  text "3.3V" at 83.531,9.668 h1.52 r90
  text "LED B" at 53.165,8.709 h1.52 r90
  text "LED G" at 55.718,8.709 h1.52 r90
  text "LED R" at 58.233,8.709 h1.52 r90
  text "GND" at 60.785,8.709 h1.52 r90
  text "RST" at 63.337,8.709 h1.52 r90
  text "GND" at 65.889,8.709 h1.52 r90
  text "BOOT" at 68.441,8.709 h1.52 r90
  text "TX" at 70.957,8.709 h1.52 r90
  text "RX" at 73.472,8.709 h1.52 r90
  text "3.3V" at 76.728,0.447 h1.52
  text "3.3V" at 80.159,0.447 h1.52
  text "CLK" at 73.327,0.434 h1.52
Bottom Overlay:
  text "Refrigerador de Vacinas / Rev.1                        2022" at 15.392,72.545 h3.5 r90